# Allegro board AWR1243BOOST-Rev-A.brd (continued)
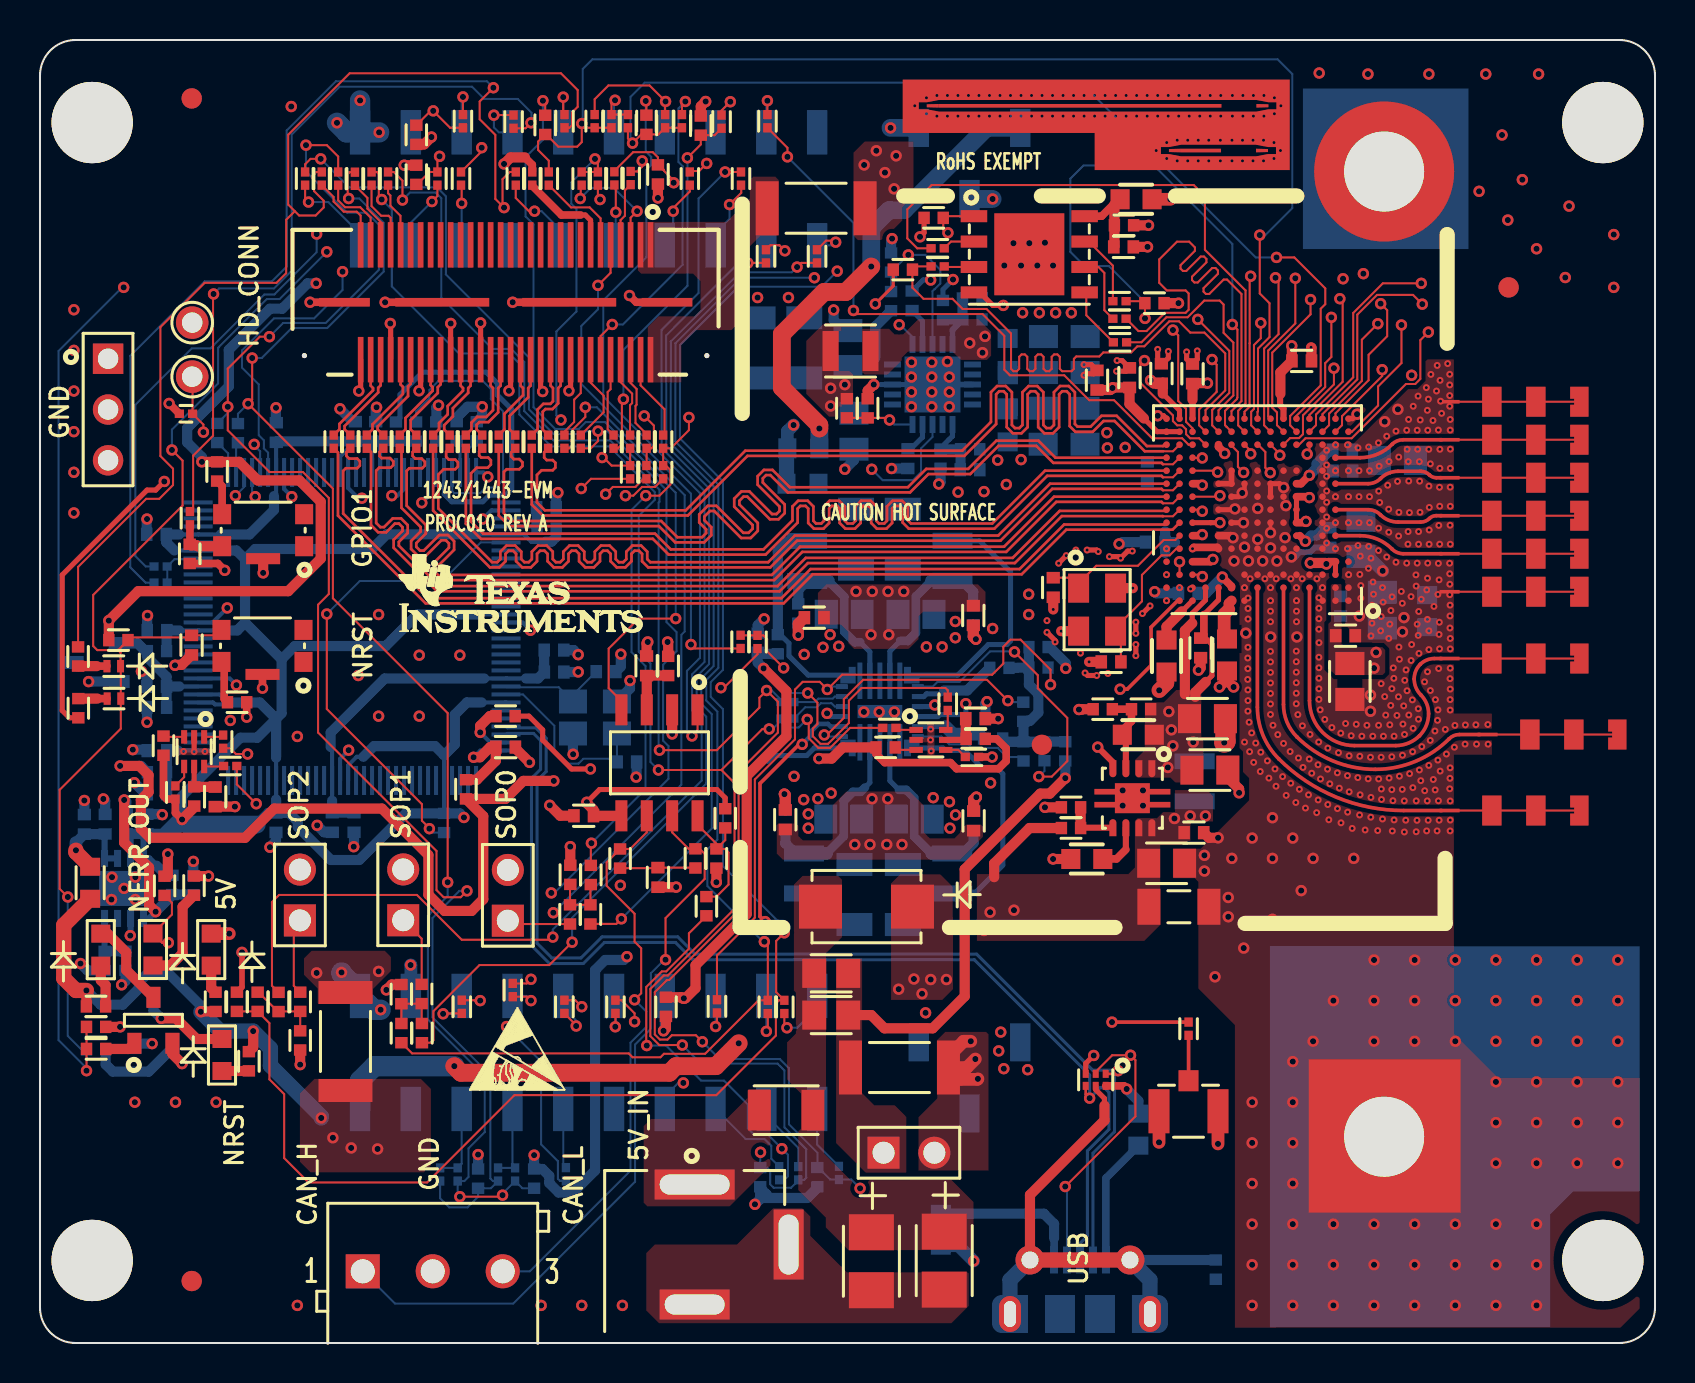
[diagram p0: board, top side]
## Routing (per net, layer and track width the routed paths; a pad name or vN(x,y) marks a point on that pad's centre or on a via; arc(x,y) is an arc through that point) (continued)
VBUS_1_DETECT: length 3.8
  BOTTOM w0.203: U6.1 6.89,29.63
  BOTTOM w0.508: R153.2 R151.2 6.34,28.55 C69.2 6.35,29.63 6.89,29.63
VDDC_1: length 18.2
  BOTTOM w0.203: 22.21,33.23 U6.87 24.31,33.23 ; 14.61,27.12 U6.115 14.61,29.73 14.54,29.8
  BOTTOM w0.508: 14.54,29.8 14.54,30.52 17.24,33.23 22.21,33.23 ; C74.2 C75.2 14.61,26.52 14.61,27.12 ; C62.2 25.22,33.56 C64.2 24.9,33.23 24.31,33.23
AR_1P3_RF1: length 2.5
  TOP w0.254: U2.J5 U2.H5 U2.G5
  TOP w0.381: v1(63.32,41.08) 63.25,41.02 U2.G5 ; v1(63.48,42.27) 63.44,42.32 U2.J5
AR_1P3_RF2: length 2
  TOP w0.254: U2.D2 U2.C2
  TOP w0.381: v1(64.34,38.95) 64.45,39.07 U2.D2
  TOP w0.508: v1(64.34,38.95) 64.28,39 v1(63.53,39)
  vias: v1(46.5,50) v1(47.14,49.52) v1(47.26,50.33)
AR_1V4_APLL: length 2.1
  TOP w0.508: 59.46,36.68 59.46,36.98 U2.A10
  TOP w0.635: 59.46,36.68 59.22,36.45 59.22,35.34 C13.2
AR_1V4_SYNTH: length 2.5
  TOP w0.254: 57.11,36.58 U2.A13
  TOP w0.508: 57.11,36.58 56.34,35.82 C14.2
AR_1V8: length 20.1
  TOP w0.254: U2.B11 58.94,37.15 58.21,36.42 ; 58.3,33.06 58.61,33.36 58.61,34.93 58.29,35.25 C12.2 ; 57.63,35.99 57.63,36.48 58.29,37.15 U2.B12
  TOP w0.305: U2.F5 63.01,40.37
  TOP w0.381: v1(58.66,39.18) 58.55,39.07 U2.D13 ; v1(58.13,42.89) 58.05,42.97 U2.K13 ; C12.2 58.21,35.41 58.21,36.42 ; U2.K5 63.07,42.97 v1(63.48,43.38) ; 63.01,40.37 v1(63.28,40.09)
  TOP w0.508: 57.26,32.44 57.26,35.62 57.63,35.99 ; 58.3,33.06 57.78,32.53 57.78,32.31
  BOTTOM w0.508: C53.2 56.76,40.04 ; C53.2 56.27,40.58 ; C53.2 56.27,39.51 ; v1(63.48,43.38) 63.85,43.75 63.85,43.97 64.53,44.65 C39.2 ; v1(63.28,40.09) 63.57,40.38 63.84,40.38 64.23,40.76 C51.2
  vias: v1(56.46,31.57) v1(56.41,28.78) v1(56.58,30.66) v1(56.66,29.86) v1(57.68,30.05)
AR_ANAMUX: length 59.1
  TOP w0.102: U2.C13 58.04,38.42 v1(58.13,38.32)
  L3 w0.127: P1.3 7.74,39.8 51.89,39.8 52.9,40.82 55.31,40.82 56.05,40.08 56.05,39.11 56.84,38.32 v1(58.13,38.32)
AR_ANATEST1: length 95.5
  TOP w0.102: R104.2 21.76,17.14 21.76,17.12 v1(22.02,17.12) ; v1(68.09,50.9) 68.09,49 66.92,47.83 66.92,46.88 65.61,45.57 U2.P1
  L3 w0.127: v1(68.09,50.9) 67.96,50.77 67.96,47.98 70.48,45.47 70.48,25.86 55.03,10.41 51.73,10.41 50.29,11.85 50.29,14.84 48.52,16.61 46.85,16.61 43.88,13.65 26.43,13.65 22.97,17.12 v1(22.02,17.12)
AR_ANATEST2: length 87.2
  TOP w0.102: v1(67.13,48.67) 67.13,48.35 65.12,46.34 65.12,45.89 U2.P2 ; R94.2 24.35,17.98 v1(24.56,18.19)
  L3 w0.127: v1(67.13,48.67) 67.13,48.39 69.74,45.77 69.74,26.4 54.44,11.1 52.02,11.1 50.57,12.55 50.57,14.92 48.62,16.87 46.73,16.87 43.85,13.98 27.78,13.98 25.19,16.57 25.19,17.55 v1(24.56,18.19)
AR_ANATEST3: length 89.3
  TOP w0.102: v1(66.91,50.97) 66.11,50.16 66.11,48.11 64.47,46.47 64.47,45.9 U2.P3 ; v1(27.1,16.81) 26.77,17.14 R105.2
  L3 w0.127: v1(27.1,16.81) 27.58,16.33 27.58,16.09 29.44,14.24 43.67,14.24 46.55,17.12 48.73,17.12 50.84,15 50.84,12.63 52.13,11.35 54.3,11.35 69.46,26.52 69.46,41.52 65.23,45.75 65.23,46.93 66.08,47.78 66.08,50.14 v1(66.91,50.97)
AR_ANATEST4: length 88.1
  TOP w0.102: v1(67.05,51.97) 67.38,51.64 67.38,50.34 66.45,49.41 66.45,48.14 64.79,46.48 U2.R2 ; R106.2 29.08,17.14 29.74,16.48 v1(29.74,16.07)
  L3 w0.127: v1(67.05,51.97) 67.01,51.97 65.53,50.48 65.53,47.83 64.95,47.26 64.95,45.15 69.18,40.92 69.18,26.63 54.16,11.61 52.23,11.61 51.15,12.69 51.15,15.06 48.83,17.37 46.3,17.37 43.54,14.62 36.34,14.62 34.5,16.46 30.13,16.46 v1(29.74,16.07)
AR_BSS_LOGGER: length 91.9
  TOP w0.102: v1(65.01,52.22) 65.15,52.08 65.15,48.06 63.49,46.4 U2.R4 ; R31.1 32.54,58.6 32.96,58.6 v1(33.34,58.98)
  L3 w0.127: v1(13.84,55.45) 14.56,55.45 16.1,56.99 16.1,57.44 16.78,58.13 22.74,58.13 22.88,57.99 26.52,57.99 26.75,58.22 30.28,58.22 31.96,59.89 32.64,59.89 33.34,59.19 v1(33.34,58.98) 33.55,59.19 35.1,59.19 37.51,56.78 44.55,56.78 44.86,56.46 45.65,56.46 46.16,56.98 46.16,58.14 47.12,59.11 57.18,59.11 59.02,57.26 59.02,53.6 60.25,52.37 62.82,52.37 63.25,52.81 64.42,52.81 v1(65.01,52.22)
  BOTTOM w0.102: R135.1 5.28,38.83 4.77,39.34 4.77,46.91 7.59,49.73 8.53,49.73 11.22,52.43 11.72,52.43 13.84,54.54 v1(13.84,55.45)
AR_CS1: length 67.6
  TOP w0.102: v1(30.12,59.11) 30.12,58.83 29.87,58.58 R17.1 ; R1.2 20.51,60.76 v1(19.67,61.61) 19.54,61.61 R14.1 ; U2.R7 61.42,46.33 61.42,49.62 62.78,50.98 v1(62.78,53.24)
  L3 w0.127: v1(19.67,61.61) 18.94,60.88 18.94,59.48 19.95,58.47 22.78,58.47 22.93,58.32 26.49,58.32 26.7,58.53 29.54,58.53 v1(30.12,59.11) 31.16,60.15 34.61,60.15 37.73,57.04 44.67,57.04 44.99,56.72 45.54,56.72 45.9,57.08 45.9,58.29 47.03,59.42 57.32,59.42 59.38,57.37 59.38,53.61 60.36,52.63 62.17,52.63 v1(62.78,53.24)
AR_GPIO_0: length 92.4
  TOP w0.102: v1(30.35,14.87) 30.32,14.9 30.32,17.8 31.1,18.58 31.32,18.58 32.45,19.71 32.45,20.48 R177.2 ; U2.N4 63.49,44.56 v1(63.38,44.45)
  L3 w0.127: v1(68.6,48.39) 70.96,46.02 70.96,25.94 55,9.98 47.99,9.98 46.4,8.39 39.82,8.39 38.5,9.72 v1(37.1,9.72)
  L4 w0.152: v1(63.38,44.45) 63.42,44.49 63.42,45.24 65.98,47.8 68.01,47.8 v1(68.6,48.39)
  BOTTOM w0.102: v1(30.35,14.87) 31.31,14.87 33.06,13.12 34.21,13.12 35.4,11.93 35.4,10.73 35.71,10.43 36.39,10.43 v1(37.1,9.72) 37.41,9.41 37.41,8.34 37.23,8.16 R164.1
AR_GPIO_1: length 96.7
  TOP w0.102: v1(24.56,61.01) 24.28,60.74 R9.2 ; R72.2 7.66,41.73 7.66,44.37 8.66,45.36 8.66,52.43 v1(8.68,52.45) ; U2.N7 62.01,44.45 v1(62.01,44.39)
  L3 w0.127: v1(24.56,61.01) 24.56,61.81 24.52,61.85 24.52,62.38 25.42,63.28 56.37,63.28 v1(66.19,53.47)
  L4 w0.152: v1(66.19,53.47) 66.19,48.57 v1(62.01,44.39)
  BOTTOM w0.102: v1(8.68,52.45) 8.96,52.73 11.7,52.73 12.59,53.62 12.59,60.43 14.98,62.81 21.61,62.81 22.22,62.2 23.9,62.2 24.58,61.52 24.58,61.11 24.48,61.01 v1(24.56,61.01)
AR_GPIO_2: length 114.6
  TOP w0.102: U2.N13 57.44,44.92 57.12,45.24 55.62,45.24 53.71,47.14 52.47,47.14 51.23,48.39 48.51,48.39 48.23,48.67 48.23,50.36 47.14,51.45 40.86,51.45 v1(40.68,51.63) ; v1(37.38,59.31) 37.38,59.76 R8.2 ; R110.2 2.33,15.8 R116.1 v1(2.33,13.61)
  L3 w0.127: v1(4.18,52.78) 4.62,53.21 9.65,53.21 11.46,51.4 15.25,51.4 17.37,53.52 30.09,53.52 32.61,51 40.06,51 v1(40.68,51.63)
  BOTTOM w0.102: v1(40.68,51.63) 40.68,56.01 v1(37.38,59.31) ; v1(2.33,13.61) 2.33,13.74 0.93,15.14 0.93,49.6 4.11,52.78 v1(4.18,52.78)
AR_HOSTINTR1: length 66
  TOP w0.102: v1(29.18,47.19) 29.1,47.12 29.1,44.93 28.9,44.74 R64.2 ; v1(32.38,59.26) 33.05,59.93 R13.2 33.74,60.39 R10.2 ; v1(63.54,52.17) 63.54,51.43 61.63,49.52 61.63,46.77 61.87,46.53 61.87,45.89 U2.P6
  L3 w0.127: v1(63.54,52.17) 63.49,52.12 60.15,52.12 58.77,53.5 58.77,57.11 57.03,58.85 47.23,58.85 46.41,58.04 46.41,56.87 45.74,56.2 44.75,56.2 44.42,56.53 42.59,56.53 42.23,56.17 37.18,56.17 35.44,57.92 33.51,57.92 32.38,59.04 v1(32.38,59.26)
  BOTTOM w0.102: v1(32.38,59.26) 32.38,59.25 32.38,52.86 29.18,49.66 v1(29.18,47.19)
AR_LVDS_VALIDM: length 49
  TOP w0.102: U2.N14 56.66,44.59 56.17,44.59
  TOP w0.132: 56.17,44.59 55.25,44.59 53.74,46.1 53.19,46.1 52.65,45.56 51.78,45.56 51.5,45.84 51.5,47.43 51.34,47.59 51.12,47.59 50.97,47.43 50.97,45.79 50.66,45.49 50.23,45.49 49.92,45.79 49.92,47.43 49.77,47.59 49.55,47.59 49.39,47.43 49.39,45.79 49.09,45.49 48.65,45.49 48.35,45.79 48.35,47.43 48.19,47.59 47.97,47.59 47.82,47.43 47.82,45.95 46.23,44.36 35.38,44.36 32.4,41.38 25.14,41.38 24.59,41.92 R60.2
AR_LVDS_VALIDP: length 49
  TOP w0.132: R61.2 25.22,44.54 25.22,44.27 25.34,44.15 25.64,44.15 25.77,44.01 25.77,43.77 25.64,43.64 25.09,43.64 24.85,43.4 24.85,42.03 25.25,41.64 32.3,41.64 35.28,44.62 46.12,44.62 47.56,46.05 47.56,47.54 47.87,47.85 48.3,47.85 48.61,47.54 48.61,45.9 48.76,45.75 48.98,45.75 49.14,45.9 49.14,47.54 49.44,47.85 49.88,47.85 50.18,47.54 50.18,45.9 50.34,45.75 50.56,45.75 50.71,45.9 50.71,47.54 51.02,47.85 51.45,47.85 51.76,47.54 51.76,45.95 51.89,45.82 52.55,45.82 53.09,46.36 53.85,46.36 55.36,44.85 56.17,44.85 56.24,44.92 U2.N15
AR_LVDSCSI_0M: length 49
  TOP w0.132: R48.2 14.9,44.52 14.9,41.37 19.29,36.98 37.19,36.98 38.65,38.44 49.1,38.44 51.33,40.67 56.64,40.67 U2.G14
AR_LVDSCSI_0P: length 49
  TOP w0.132: U2.G15 56.25,40.92 51.22,40.92 48.99,38.7 38.54,38.7 37.08,37.24 19.39,37.24 15.16,41.47 15.16,43.61 15.29,43.74 15.86,43.74 16,43.87 16,44.09 15.86,44.22 15.46,44.22 15.32,44.35 15.32,44.54 R49.2
AR_LVDSCSI_1M: length 49
  TOP w0.102: U2.H14 56.66,41.34 56.16,41.34
  TOP w0.132: R50.2 16.37,44.74 16.55,44.55 16.55,40.89 16.91,40.54 17.31,40.54 17.75,40.97 17.95,40.97 18.13,40.79 18.13,40.6 17.69,40.16 17.69,39.76 19.86,37.59 36.99,37.59 38.4,39 48.76,39 51.1,41.35 56.15,41.35 56.16,41.34
AR_LVDSCSI_1P: length 49
  TOP w0.132: R51.2 16.99,44.55 16.99,44.35 17.09,44.25 17.51,44.25 17.67,44.08 17.67,43.9 17.54,43.76 16.96,43.76 16.81,43.62 16.81,41 17.02,40.79 17.21,40.79 17.64,41.23 18.06,41.23 18.39,40.9 18.39,40.5 17.95,40.05 17.95,39.87 19.97,37.85 36.89,37.85 38.3,39.26 48.65,39.26 51,41.61 56.28,41.61 U2.H15
AR_LVDSCSI_2M: length 49
  TOP w0.102: 56.16,42.64 56.66,42.64 U2.K14
  TOP w0.132: R54.2 19.66,41.62 22.5,38.78 22.98,38.78 23.28,39.09 23.28,39.46 23.44,39.61 23.66,39.61 23.81,39.46 23.81,39.09 24.12,38.78 24.55,38.78 24.86,39.09 24.86,39.46 25.01,39.61 25.23,39.61 25.39,39.46 25.39,39.09 25.69,38.78 26.13,38.78 26.43,39.09 26.43,39.46 26.59,39.61 26.81,39.61 26.96,39.46 26.96,39.09 27.27,38.78 27.7,38.78 28.01,39.09 28.01,39.46 28.16,39.61 28.38,39.61 28.54,39.46 28.54,39.09 28.84,38.78 29.28,38.78 29.58,39.09 29.58,39.46 29.74,39.61 29.96,39.61 30.11,39.46 30.11,39.09 30.42,38.78 36.53,38.78 37.86,40.11 48.03,40.11 50.63,42.71 56.09,42.71 56.16,42.64
AR_LVDSCSI_2P: length 49
  TOP w0.132: U2.K15 50.52,42.97 47.93,40.37 37.75,40.37 36.42,39.04 30.52,39.04 30.37,39.19 30.37,39.57 30.06,39.87 29.63,39.87 29.32,39.57 29.32,39.19 29.17,39.04 28.95,39.04 28.8,39.19 28.8,39.57 28.49,39.87 28.06,39.87 27.75,39.57 27.75,39.19 27.59,39.04 27.38,39.04 27.22,39.19 27.22,39.57 26.91,39.87 26.48,39.87 26.17,39.57 26.17,39.19 26.02,39.04 25.8,39.04 25.65,39.19 25.65,39.57 25.34,39.87 24.91,39.87 24.6,39.57 24.6,39.19 24.44,39.04 24.23,39.04 24.07,39.19 24.07,39.57 23.76,39.87 23.33,39.87 23.02,39.57 23.02,39.19 22.87,39.04 22.61,39.04 19.92,41.73 19.92,43.42 20.19,43.69 20.77,43.69 20.9,43.82 20.9,44.04 20.77,44.17 20.45,44.17 20.31,44.3 20.31,44.56 R55.2
AR_LVDSCSI_3M: length 49
  TOP w0.102: U2.L14 56.66,43.29 56.16,43.29
  TOP w0.132: R56.2 21.3,40.97 22.06,40.21 30.65,40.21 31.44,39.42 36.29,39.42 37.89,41.02 37.89,41.72 38.02,41.85 38.29,41.85 38.42,41.72 38.42,41 38.71,40.72 39.18,40.72 39.47,41 39.47,41.72 39.6,41.85 39.86,41.85 40,41.72 40,41 40.28,40.72 40.76,40.72 41.04,41 41.04,41.72 41.17,41.85 41.44,41.85 41.57,41.72 41.57,41 41.85,40.72 42.33,40.72 42.62,41 42.62,41.72 42.75,41.85 43.01,41.85 43.15,41.72 43.15,41.02 43.45,40.72 47.73,40.72 50.37,43.36 56.09,43.36 56.16,43.29
AR_LVDSCSI_3P: length 49
  TOP w0.132: R57.2 21.96,44.58 21.96,44.37 22.07,44.27 22.42,44.27 22.55,44.14 22.55,43.92 22.39,43.76 21.84,43.76 21.56,43.48 21.56,41.07 22.16,40.47 30.76,40.47 31.55,39.68 36.18,39.68 37.63,41.13 37.63,41.83 37.92,42.11 38.4,42.11 38.68,41.83 38.68,41.11 38.81,40.98 39.08,40.98 39.21,41.11 39.21,41.83 39.49,42.11 39.97,42.11 40.25,41.83 40.25,41.11 40.39,40.98 40.65,40.98 40.78,41.11 40.78,41.83 41.07,42.11 41.55,42.11 41.83,41.83 41.83,41.11 41.96,40.98 42.23,40.98 42.36,41.11 42.36,41.83 42.64,42.11 43.12,42.11 43.4,41.83 43.4,41.13 43.56,40.98 47.62,40.98 50.26,43.62 U2.L15
AR_LVDSCSI_CLKM: length 49
  TOP w0.102: 56.16,41.99 56.66,41.99 U2.J14
  TOP w0.132: R52.2 18.08,44.65 18.08,41.76 19.04,40.8 19.04,40.58 18.56,40.1 18.56,39.7 18.9,39.36 19.3,39.36 20.08,40.14 20.3,40.14 20.45,39.98 20.45,39.77 19.7,39.01 19.7,38.61 20.17,38.15 36.71,38.15 38.12,39.56 48.32,39.56 50.82,42.06 56.09,42.06 56.16,41.99
AR_LVDSCSI_CLKP: length 49
  TOP w0.132: U2.J15 50.72,42.32 48.22,39.81 38.02,39.81 36.61,38.4 20.27,38.4 19.96,38.72 19.96,38.91 20.71,39.66 20.71,40.09 20.4,40.4 19.97,40.4 19.19,39.62 19.01,39.62 18.82,39.81 18.82,39.99 19.3,40.47 19.3,40.91 18.34,41.87 18.34,43.61 18.47,43.74 19.11,43.74 19.25,43.87 19.25,44.06 19.09,44.22 18.77,44.22 18.64,44.35 18.64,44.55 R53.2
AR_LVDSCSI_FRCLKM: length 49
  TOP w0.102: U2.M14 56.66,43.94 56.16,43.94
  TOP w0.132: R58.2 22.94,41.38 23.48,40.84 30.96,40.84 31.77,40.03 33.22,40.03 33.57,40.39 33.57,40.79 33.23,41.14 33.23,41.32 33.51,41.6 33.72,41.6 35.07,40.25 35.55,40.25 35.9,40.6 35.9,41.01 34.98,41.93 34.98,42.11 35.19,42.32 35.37,42.32 36.51,41.19 36.94,41.19 37.25,41.49 37.25,41.93 36.15,43.02 36.15,43.23 36.31,43.4 36.53,43.4 37.39,42.53 43.51,42.53 44.43,43.45 46.53,43.45 47.94,44.86 49.83,44.86 50.68,44.01 56.09,44.01 56.16,43.94
AR_LVDSCSI_FRCLKP: length 49
  TOP w0.132: U2.M15 50.79,44.27 49.94,45.12 47.83,45.12 46.42,43.71 44.32,43.71 43.41,42.79 37.5,42.79 36.63,43.65 36.21,43.65 35.89,43.34 35.89,42.91 36.99,41.82 36.99,41.6 36.83,41.45 36.61,41.45 35.48,42.58 35.08,42.58 34.72,42.22 34.72,41.82 35.64,40.9 35.64,40.71 35.44,40.51 35.18,40.51 33.83,41.86 33.4,41.86 32.97,41.43 32.97,41.03 33.32,40.68 33.32,40.5 33.11,40.29 31.88,40.29 31.06,41.1 23.58,41.1 23.2,41.48 23.2,43.55 23.34,43.69 23.97,43.69 24.13,43.85 24.13,44.04 23.97,44.2 23.7,44.2 23.56,44.33 23.56,44.53 R59.2
AR_MCUCLKOUT: length 62.2
  TOP w0.102: v1(22.09,59.77) 22.09,59.59 R25.1 ; v1(60.55,44.46) 60.55,44.61 U2.N9
  L3 w0.127: v1(65.17,53.21) 55.35,63.03 27.88,63.03 24.95,60.1 22.42,60.1 v1(22.09,59.77)
  L4 w0.127: v1(65.17,53.21) 65.65,52.74 65.65,48.78 62.31,45.44 61.53,45.44 v1(60.55,44.46)
AR_MISO1: length 53.3
  TOP w0.102: R7.2 R6.2 30.93,60.43 R11.1 30.07,60.43 v1(29.64,59.99) 29.4,60.23 R5.2 ; v1(61.84,54.28) 62.73,54.28 64.28,52.73 64.28,51.94 64.05,51.71 64.05,47.88 62.52,46.35 62.52,45.88 U2.P5
  BOTTOM w0.102: v1(29.64,59.99) 29.53,60.1 29.53,62.31 30.25,63.02 52.06,63.02 60.8,54.28 v1(61.84,54.28)
AR_MOSI1: length 64.2
  TOP w0.102: U2.R8 60.89,46.56 60.92,46.58 60.92,49.72 61.49,50.3 61.49,51.99 61,52.48 v1(61,55.4) ; R28.1 25.45,59.12 24.91,59.65 24.91,60.07 R12.1 25.32,60.43 25.93,59.82 26.87,59.82 27.1,60.05 v1(27.1,60.97) 27.31,60.76 R3.2 R4.2
  BOTTOM w0.102: v1(61,55.4) 61.28,55.4 62.63,56.74 62.63,63.45 61.89,64.19 27.63,64.19 27.15,63.7 27.15,60.97 v1(27.1,60.97)
AR_MSS_LOGGER: length 105.3
  TOP w0.102: v1(64.59,51.28) 64.59,49.3 64.28,48.99 64.28,47.8 62.84,46.36 U2.R5 ; v1(22.68,62.76) 21.99,62.08 21.99,61.19 22.77,60.41 22.77,57.21 23.13,56.85 ; R26.1 23.49,58.55 23.13,58.19 23.13,56.85 ; 23.13,56.85 v1(23.21,56.77)
  L3 w0.127: v1(64.59,51.28) 63.11,51.28 59.19,47.36 55.42,47.36 54.17,48.6 54.17,51.52 52.77,52.92 47.54,52.92 46.5,51.88 43.4,51.88 42.44,52.85 41.37,52.85 41.17,52.64 39.39,52.64 38.38,51.64 32.94,51.64 28.67,55.91 24.07,55.91 v1(23.21,56.77)
  BOTTOM w0.102: R136.1 5.28,38.02 4.51,38.79 4.51,49.36 8.24,53.09 11.6,53.09 12.34,53.82 12.34,60.63 14.8,63.09 22.35,63.09 v1(22.68,62.76)
AR_NERR_OUT: length 122.6
  TOP w0.102: v1(14.04,59.21) 13.53,59.21 13.26,58.93 R19.1 ; U2.N8 60.92,44.92 61.28,44.55 61.28,43.76 v1(61.53,43.52) ; v1(6.42,20.02) 6.11,20.02 6.1,20.02 6.1,20.05 6.07,20.08 6.05,20.08 DS1.C 6.6,21.42 6.6,22.01 R91.1 ; R63.2 27.55,44.74 27.91,45.1 v1(27.91,45.59)
  L3 w0.127: v1(61.53,43.52) 61.28,43.76 61.28,44.63 60.18,45.73 55.03,45.73 54.35,46.41 48.01,46.41 46.7,45.09 37.47,45.09 34.52,48.03 29.71,48.03 29.5,48.24 26.19,48.24 25.82,47.87 25.82,47.34 27.57,45.59 v1(27.91,45.59) ; v1(6.42,20.02) 8.95,22.54 12.49,22.54 19.75,22.54 20.33,21.97 22.31,21.97 22.83,22.49 23.22,22.49 23.23,22.5 v1(25.57,22.5)
  BOTTOM w0.102: v1(14.04,59.21) 15.46,57.78 19.85,57.78 20.3,57.34 20.3,53.43 24.45,49.28 24.45,46.68 25.69,45.45 27.15,45.45 27.3,45.59 v1(27.91,45.59) 28.38,45.59 31.33,42.64 31.33,36.05 31.84,35.54 31.84,34.59 31.17,33.92 31.17,30.11 31.43,29.85 31.43,28.21 25.73,22.5 v1(25.57,22.5)
AR_NERRIN: length 60.3
  TOP w0.102: v1(19.98,59.33) 19.88,59.23 R24.1 19.48,58.55 18.86,57.93 R16.1 ; U2.P7 61.22,45.89 61.22,49.72 61.94,50.44 61.94,53.11 v1(61.79,53.26)
  L3 w0.127: v1(61.79,53.26) 61.84,53.26 62.71,54.13 62.71,55.17 55.1,62.78 28.5,62.78 27.35,61.63 26.84,61.63 26.44,61.23 26.44,60.91 25.24,59.72 23.07,59.72 22.49,59.13 20.19,59.13 v1(19.98,59.33)
AR_NRST: length 117.6
  TOP w0.102: 3.91,34.65 4.1,34.84 4.11,34.84 4.14,34.87 4.14,34.88 4.4,35.14 R74.1 4.54,35.28 7.48,35.28 C11.2 8.81,35.38 SW2.4 ; 3.91,34.65 4.03,34.52 D1.A 4.04,33.83 D2.A 4.04,30.72 0.98,27.66 0.98,22.71 v1(1.39,22.3) ; 3.91,34.65 2.86,34.65 2.66,34.85 2.66,37.4 7.13,41.87 7.13,44.12 v1(6.6,44.65) ; U2.P12 58.29,45.57 57.97,45.88 57.97,46.68 58.85,47.56 58.85,48.92 58.62,49.15 v1(58.62,49.17)
  L3 w0.127: v1(58.62,49.17) 58.62,51.83 58.08,52.37 58.08,56.93 56.84,58.18 47.44,58.18 47.01,57.75 47.01,56.17 45.64,54.8 45.05,54.8 44.72,55.13 44.72,55.84 44.32,56.25 42.69,56.25 42.3,55.86 37.03,55.86 35.27,57.61 33,57.61 31.96,58.65 31.08,58.65 30.3,57.86 26.76,57.86 26.63,57.73 22.75,57.73 22.61,57.88 16.89,57.88 16.38,57.36 16.38,56.59 v1(14.34,54.56)
  BOTTOM w0.102: v1(1.39,22.3) 1.39,15.35 2.05,14.69 R160.1 ; v1(14.34,54.56) 11.98,52.2 11.35,52.2 8.91,49.76 8.91,47.98 6.6,45.67 v1(6.6,44.65)
AR_NRST_MCU: length 55.6
  TOP w0.102: R20.1 13.82,58.55 13.71,58.45 13.71,57.59 14.19,57.11 14.19,56.78 13.79,56.38 12.96,56.38 12.74,56.59 ; R2.2 26.48,60.76 26.61,60.9 26.61,61.53 26.89,61.81 26.89,62.65 26.05,63.49 15.49,63.49 12.41,60.41 12.41,56.92 12.74,56.59 ; 12.74,56.59 12.31,56.16 12.31,53.49 11.83,53.01 8.24,53.01 6.02,50.79 6.02,44.35 6.65,43.72 6.65,42.9 5.97,42.21 5.31,42.21 1.91,38.8 R77.1
AR_NRST_XDS: length 23.4
  TOP w0.254: v1(6.22,43.08) 5.78,42.65 5.35,42.65 1.11,38.4 1.11,31.62 1.47,31.26 R80.1
  L3 w0.254: v1(6.22,43.08) 7.68,41.62 11.89,41.62 v1(12.59,42.32)
  BOTTOM w0.203: v1(12.59,42.32) 12.21,42.7 U6.40
AR_OSC_CLKOUT: length 27.2
  TOP w0.18: U2.A14 56.9,37.12 55.57,35.79 55.57,33.88 54.38,32.69 v1(54.02,32.69) ; v1(53.61,16.04) R111.1
  L3 w0.203: v1(54.02,32.69) 54.02,29.11 52.8,27.89 52.8,16.86 v1(53.61,16.04)
AR_PMIC_CLKOUT_SOP2: length 111.7
  TOP w0.102: v1(37.23,20.51) 36.82,20.1 36.82,17.54 R109.2 36.95,17.13 36.8,16.99 36.8,15.37 33.83,12.4 23.73,12.4 19.36,8.03 13.43,8.03 12.21,9.25 12.21,12.45 11.47,13.18 11.47,15.99 R98.1 R97.1 ; U2.P13 57.64,45.73 57.32,46.06 57.32,46.71 56.93,47.1 56.93,50.38 v1(56.66,50.65)
  L3 w0.127: v1(56.66,50.65) 56.66,50.94 55.47,52.13 55.03,52.13 51.51,55.65 48.45,55.65 47.54,54.75 47.54,54.15 45.9,52.51 43.89,52.51 41.94,54.46 40.74,54.46 v1(39.87,53.59)
  BOTTOM w0.102: v1(39.87,53.59) 39.09,52.81 34.93,52.81 32.01,49.89 32.01,45.23 34.16,43.08 34.16,33.66 33.55,33.05 33.55,32.31 34.16,31.7 34.16,23.85 37.23,20.78 v1(37.23,20.51)
AR_QSPI_CS: length 31.6
  TOP w0.102: U2.P8 60.57,45.88 60.57,46.56 60.71,46.7 60.71,49.9 61.06,50.24 v1(61.06,51) ; U1.1 45.26,56.34 R38.1 45.18,55.67 45.28,55.56 45.41,55.56 v1(45.41,55.51)
  L3 w0.127: v1(61.06,51) 60.42,51.64 59.4,51.64 58.38,52.66 58.38,57.07 56.94,58.51 47.36,58.51 46.7,57.85 46.7,56.4 45.82,55.51 v1(45.41,55.51)
AR_QSPI_D0: length 12
  TOP w0.102: U2.R11 58.94,46.64 59.68,47.38 59.68,50.02 59.2,50.51 59.2,51.92 59,52.12 58.23,52.12 57.39,51.29 56.34,51.29 55.09,50.04 54.35,50.04 R45.2
AR_QSPI_D1: length 31.4
  TOP w0.102: R39.1 43.87,54.74 43.38,55.23 43.38,56.68 44.6,57.9 57.7,57.9 58.26,57.34 58.26,54.66 60.29,52.63 60.29,46.98 59.92,46.61 59.92,45.88 U2.P9
AR_QSPI_D2: length 30.2
  TOP w0.102: R42.1 43.8,53.83 R43.1 43.63,53.66 43.63,52.77 44.19,52.21 45.64,52.21 46.15,51.7 47.34,51.7 48.56,50.48 48.56,48.71 48.68,48.59 48.85,48.59 48.97,48.71 48.97,49.31 49.09,49.43 49.26,49.43 49.38,49.31 49.38,48.71 49.5,48.59 49.66,48.59 49.78,48.71 49.78,49.31 49.9,49.43 50.07,49.43 50.19,49.31 50.19,48.71 50.31,48.59 50.48,48.59 50.6,48.71 50.6,49.31 50.72,49.43 50.88,49.43 51,49.31 51,48.71 51.12,48.59 51.59,48.59 51.71,48.71 51.71,49.21 51.83,49.33 52.98,49.33 53.18,49.53 54.58,49.53 54.88,49.83 55.23,49.83 56.48,51.08 56.97,51.08 57.53,50.52 58.24,50.52 59.28,49.48 59.28,47.63 58.29,46.65 U2.R12
AR_QSPI_D3: length 30.9
  TOP w0.102: v1(55.26,51.23) 55.26,51.99 R41.1 55.16,52.09 R40.2 ; v1(59.63,50.93) 59.89,50.67 59.89,47.27 59.87,47.25 59.87,47.21 59.27,46.61 59.27,45.89 59.35,45.81 59.35,45.81 59.59,45.57 U2.P10
  BOTTOM w0.102: v1(55.26,51.23) 55.26,52.04 53.46,53.85 52.24,53.85 51.53,54.56 51.53,58.22 52.19,58.88 55.71,58.88 59.63,54.95 v1(59.63,50.93)
AR_QSPI_SCLK: length 26.2
  TOP w0.102: U2.R10 59.59,46.6 60.09,47.1 60.09,52.45 59.37,53.17 59.2,53.17 58.48,52.45 58.31,52.45 58.19,52.57 58.19,52.74 58.91,53.46 58.91,53.63 58.79,53.75 58.62,53.75 57.9,53.03 57.74,53.03 57.62,53.15 57.62,53.32 58.34,54.04 58.34,54.2 58.22,54.32 58.05,54.32 57.33,53.6 57.16,53.6 57.04,53.72 57.04,53.89 57.76,54.61 57.76,54.78 57.47,55.07 56.86,55.07 55.98,54.18 55.98,53.01 56.36,52.63 57.3,52.63 57.45,52.48 57.45,51.66 57.3,51.51 56.25,51.51 55.34,50.6 54.94,50.6 R44.2
AR_RS232RX: length 143.2
  TOP w0.102: v1(15.44,57.23) 15.39,57.27 15.39,58.44 15.49,58.54 R33.1 ; U2.N5 62.97,44.92 63.29,45.24 65.6,45.24 68.31,47.95 68.78,47.95 69.04,48.21 69.04,50.14 v1(69.44,50.55) ; v1(21,7.32) 23.06,7.32 v1(23.13,7.39) ; v1(20.39,23.04) 20.39,31.5 14.65,37.24 14.65,42.72 v1(10.41,46.96) 10.61,47.17 v1(10.61,49.25)
  L3 w0.127: v1(15.44,57.23) 17.76,59.55 17.76,60.6 19.4,62.24 20.1,62.24 21.58,60.76 22.96,60.76 23.84,61.63 23.84,62.07 25.32,63.54 57.01,63.54 68.5,52.06 68.5,51.49 v1(69.44,50.55)
  BOTTOM w0.102: v1(21,7.32) 20.89,7.43 R168.1 21.22,8.1 21.43,8.31 21.43,9.73 22.24,10.54 22.24,13.34 19.4,16.18 19.4,21.36 20.39,22.35 v1(20.39,23.04) ; v1(23.13,7.39) 23.13,7.47 R166.1 24.12,7.74 R172.1 ; R129.1 9.9,46.46 v1(10.41,46.96) ; v1(15.44,57.23) 15.97,57.23 17.19,56.01 17.19,53.58 14.36,50.75 12.59,50.75 11.09,49.25 v1(10.61,49.25)
AR_RS232TX: length 147.1
  TOP w0.102: R21.1 14.91,59.33 14.34,59.89 v1(13.3,59.89) ; v1(21.36,22.61) 21.04,22.29 20.19,22.29 19.83,22.64 19.83,24.6 13.91,30.52 13.91,36.91 14.45,37.45 14.45,42.25 13.15,43.55 11.48,43.55 9.39,45.64 v1(9.39,46.81) 9.39,48.72 10.99,50.32 v1(11.47,50.32) ; v1(64.71,48.74) 64.71,47.93 63.17,46.38 63.17,45.44 62.97,45.25 62.52,45.25 U2.N6
  L3 w0.127: v1(13.3,59.89) 12.79,59.38 12.79,55.01 14.87,52.93 16.17,52.93 17.01,53.77 30.29,53.77 32.68,51.38 38.51,51.38 39.5,52.38 41.28,52.38 41.5,52.59 42.31,52.59 43.28,51.63 46.73,51.63 47.67,52.57 52.62,52.57 53.89,51.3 53.89,48.5 55.29,47.1 63.07,47.1 v1(64.71,48.74)
  BOTTOM w0.102: v1(9.39,46.81) 9.39,46.5 R128.1 ; v1(11.47,50.32) 12.16,51 14.29,51 16.95,53.66 16.95,55.92 16.35,56.52 15.36,56.52 13.3,58.57 v1(13.3,59.89) ; R169.1 20.01,7.24 20.47,6.78 21.38,6.78 21.91,7.31 R173.1 22.55,7.74 R167.1 22.66,8.1 22.52,8.23 22.52,13.39 19.63,16.28 19.63,21.25 20.62,22.24 20.62,22.25 20.97,22.61 v1(21.36,22.61)
AR_SCL: length 200.9
  TOP w0.102: v1(17.09,57.18) 16.94,57.32 16.94,58.45 16.84,58.55 R22.1 ; U2.P4 63.82,45.89 63.82,46.42 65.68,48.29 65.68,51.5 67.16,52.98 v1(69.08,52.98) ; R185.1 9.51,29.74 9.8,29.45 v1(10.38,29.45) ; 34.08,28.65 34.74,28 34.74,21.71 31.4,18.38 31.2,18.38 30.52,17.7 30.52,15.35 30.97,14.9 v1(32.12,14.9) ; 34.08,28.65 36.13,30.7 v1(36.47,30.7) ; 34.08,28.65 v1(30.93,28.65) ; R180.1 40.52,30.76 39.52,29.76 38.93,29.76 38.45,30.24 38.45,31.1 v1(38.37,31.18)
  L3 w0.127: v1(69.08,52.98) 71.52,50.55 71.52,25.55 57.27,11.31 57.27,10.08 56.18,8.99 48.48,8.99 46.49,7 40,7 37.97,9.03 36.54,9.03 v1(36.04,9.54) ; v1(10.38,29.45) 10.92,29.45 12.08,28.28 21.79,28.28 22.47,28.97 22.47,29.76 23.97,31.25 35.92,31.25 v1(36.47,30.7)
  BOTTOM w0.102: v1(36.04,9.54) 36.02,9.52 R171.1 36.36,8.77 36.52,8.61 36.52,7.94 36.7,7.76 37.56,7.76 37.92,8.12 R163.1 38.22,8.16 38.32,8.26 38.32,9.69 37.23,10.78 37.23,13.63 36.89,13.97 33.05,13.97 v1(32.12,14.9) ; 37.05,31.11 37.05,31.05 37.33,30.77 37.94,30.77 38.35,31.18 v1(38.37,31.18) ; 37.05,31.11 36.64,30.7 v1(36.47,30.7) ; 37.05,31.11 R146.1 ; v1(17.09,57.18) 17.6,56.67 17.6,52.83 20.95,49.48 23.46,49.48 23.97,48.97 23.97,46.43 25.57,44.83 28.47,44.83 30.75,42.55 30.75,42.16 29.95,41.36 29.95,34.56 30.53,33.98 30.53,29.05 v1(30.93,28.65)
AR_SDA: length 195.4
  TOP w0.102: v1(30.98,29.64) 33.85,29.64 35.98,31.77 35.98,32.26 v1(36.34,32.63) 36.9,32.06 36.9,30.52 34.94,28.55 34.94,21.62 31.46,18.15 31.35,18.15 30.75,17.54 30.75,15.43 31,15.17 31.38,15.17 31.6,15.39 32.8,15.39 v1(33.13,15.06) ; U2.R3 64.14,46.44 65.88,48.18 65.88,51.42 66.87,52.41 68.67,52.41 v1(69.13,51.94) ; v1(10.81,26.96) 9.84,27.93 R186.2 ; R23.1 17.69,58.55 18.13,58.12 v1(18.13,57.15) ; R182.2 45.4,32.63 45.28,32.75 41.09,32.75 40.46,32.12 40.46,31 39.41,29.96 39.03,29.96 38.65,30.34 38.65,30.72 38.88,30.95 38.88,32.02 v1(38.4,32.5)
  L3 w0.127: v1(41.01,7.73) 46.34,7.73 47.92,9.32 56.15,9.32 56.84,10.01 56.84,11.3 71.24,25.7 71.24,49.83 v1(69.13,51.94) ; v1(10.81,26.96) 11.04,26.96 11.63,27.55 21.56,27.55 22.8,28.79 22.8,29.63 23.88,30.71 29.91,30.71 v1(30.98,29.64)
  BOTTOM w0.102: v1(36.34,32.63) 36.6,32.63 37.05,32.17 ; R144.1 37.05,32.17 ; 37.05,32.17 37.11,32.17 37.43,32.5 v1(38.4,32.5) ; v1(33.13,15.06) 33.99,14.2 37,14.2 37.46,13.74 37.46,10.93 38.88,9.51 R170.1 38.93,8.77 39.52,8.17 R162.1 40.58,8.17 v1(41.01,7.73) ; v1(30.98,29.64) 30.94,29.68 30.94,42.02 30.98,42.06 30.98,42.67 28.52,45.13 25.68,45.13 24.22,46.6 24.22,49.05 23.56,49.71 22.63,49.71 20.07,52.26 20.07,57.24 19.79,57.52 18.5,57.52 v1(18.13,57.15)
